# Altium PCB 3-as-manufactured.PcbDoc (part 1 of 16) (continued)
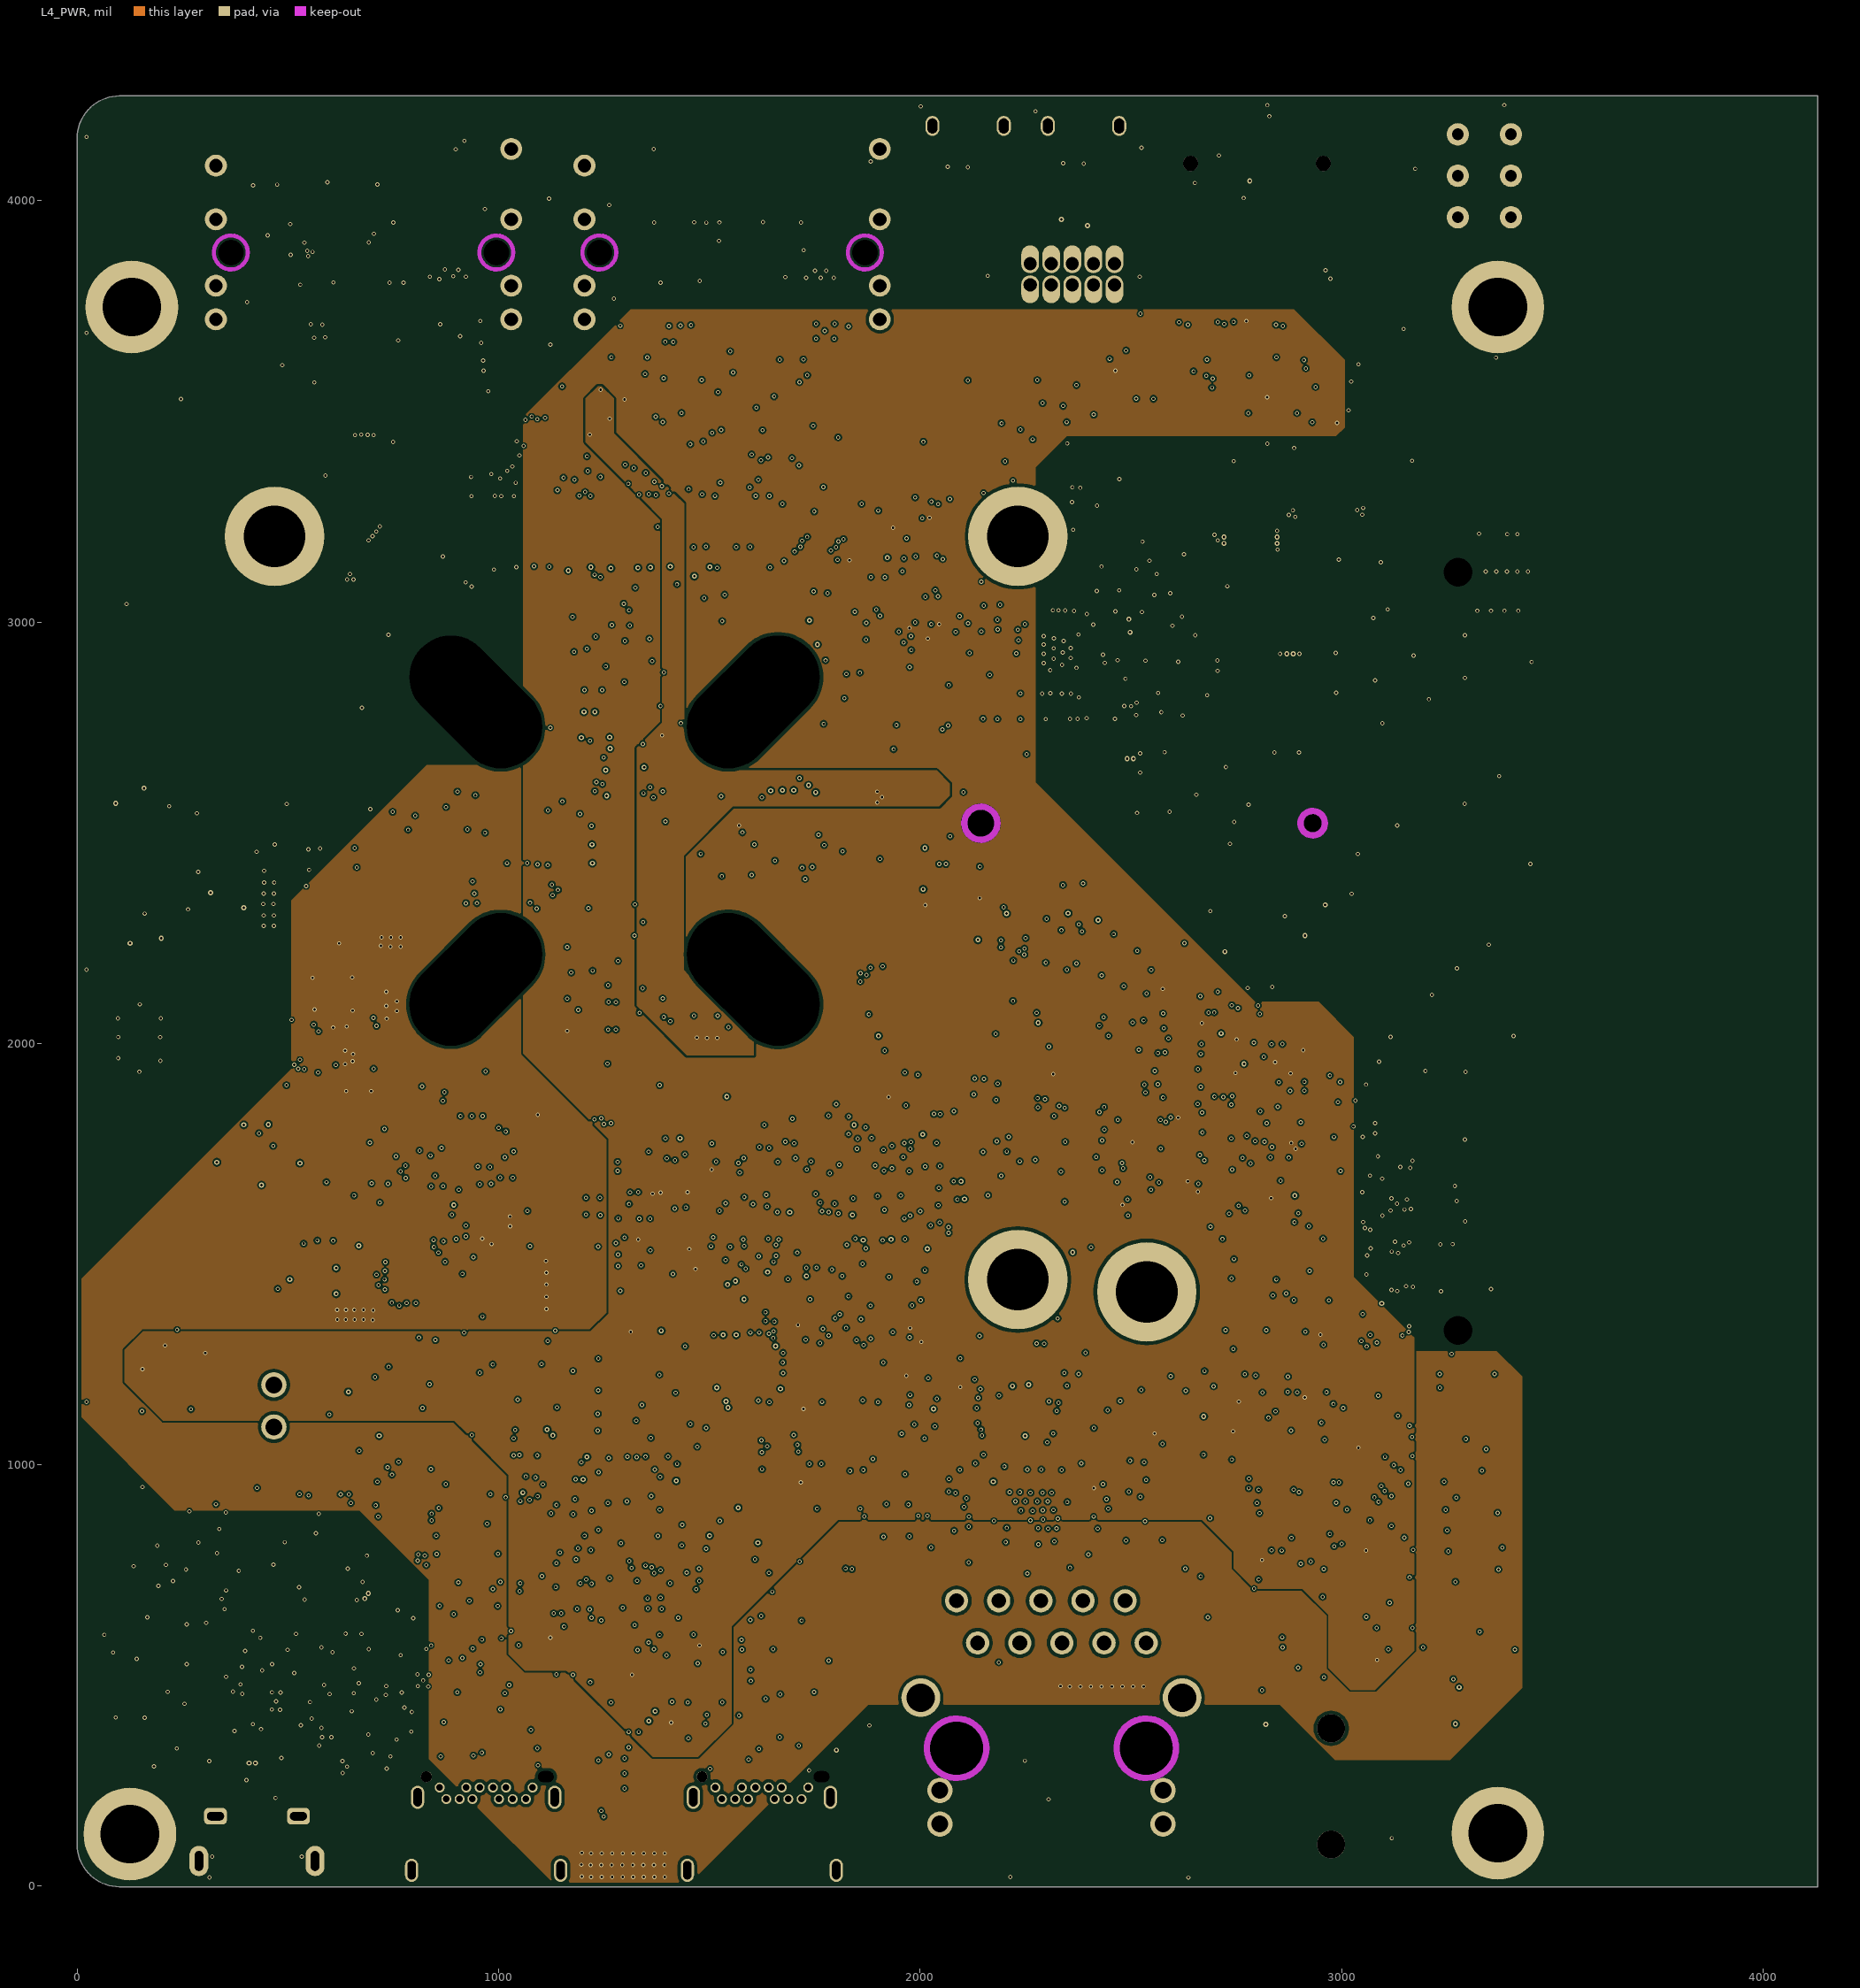
[diagram p4: L4_PWR]
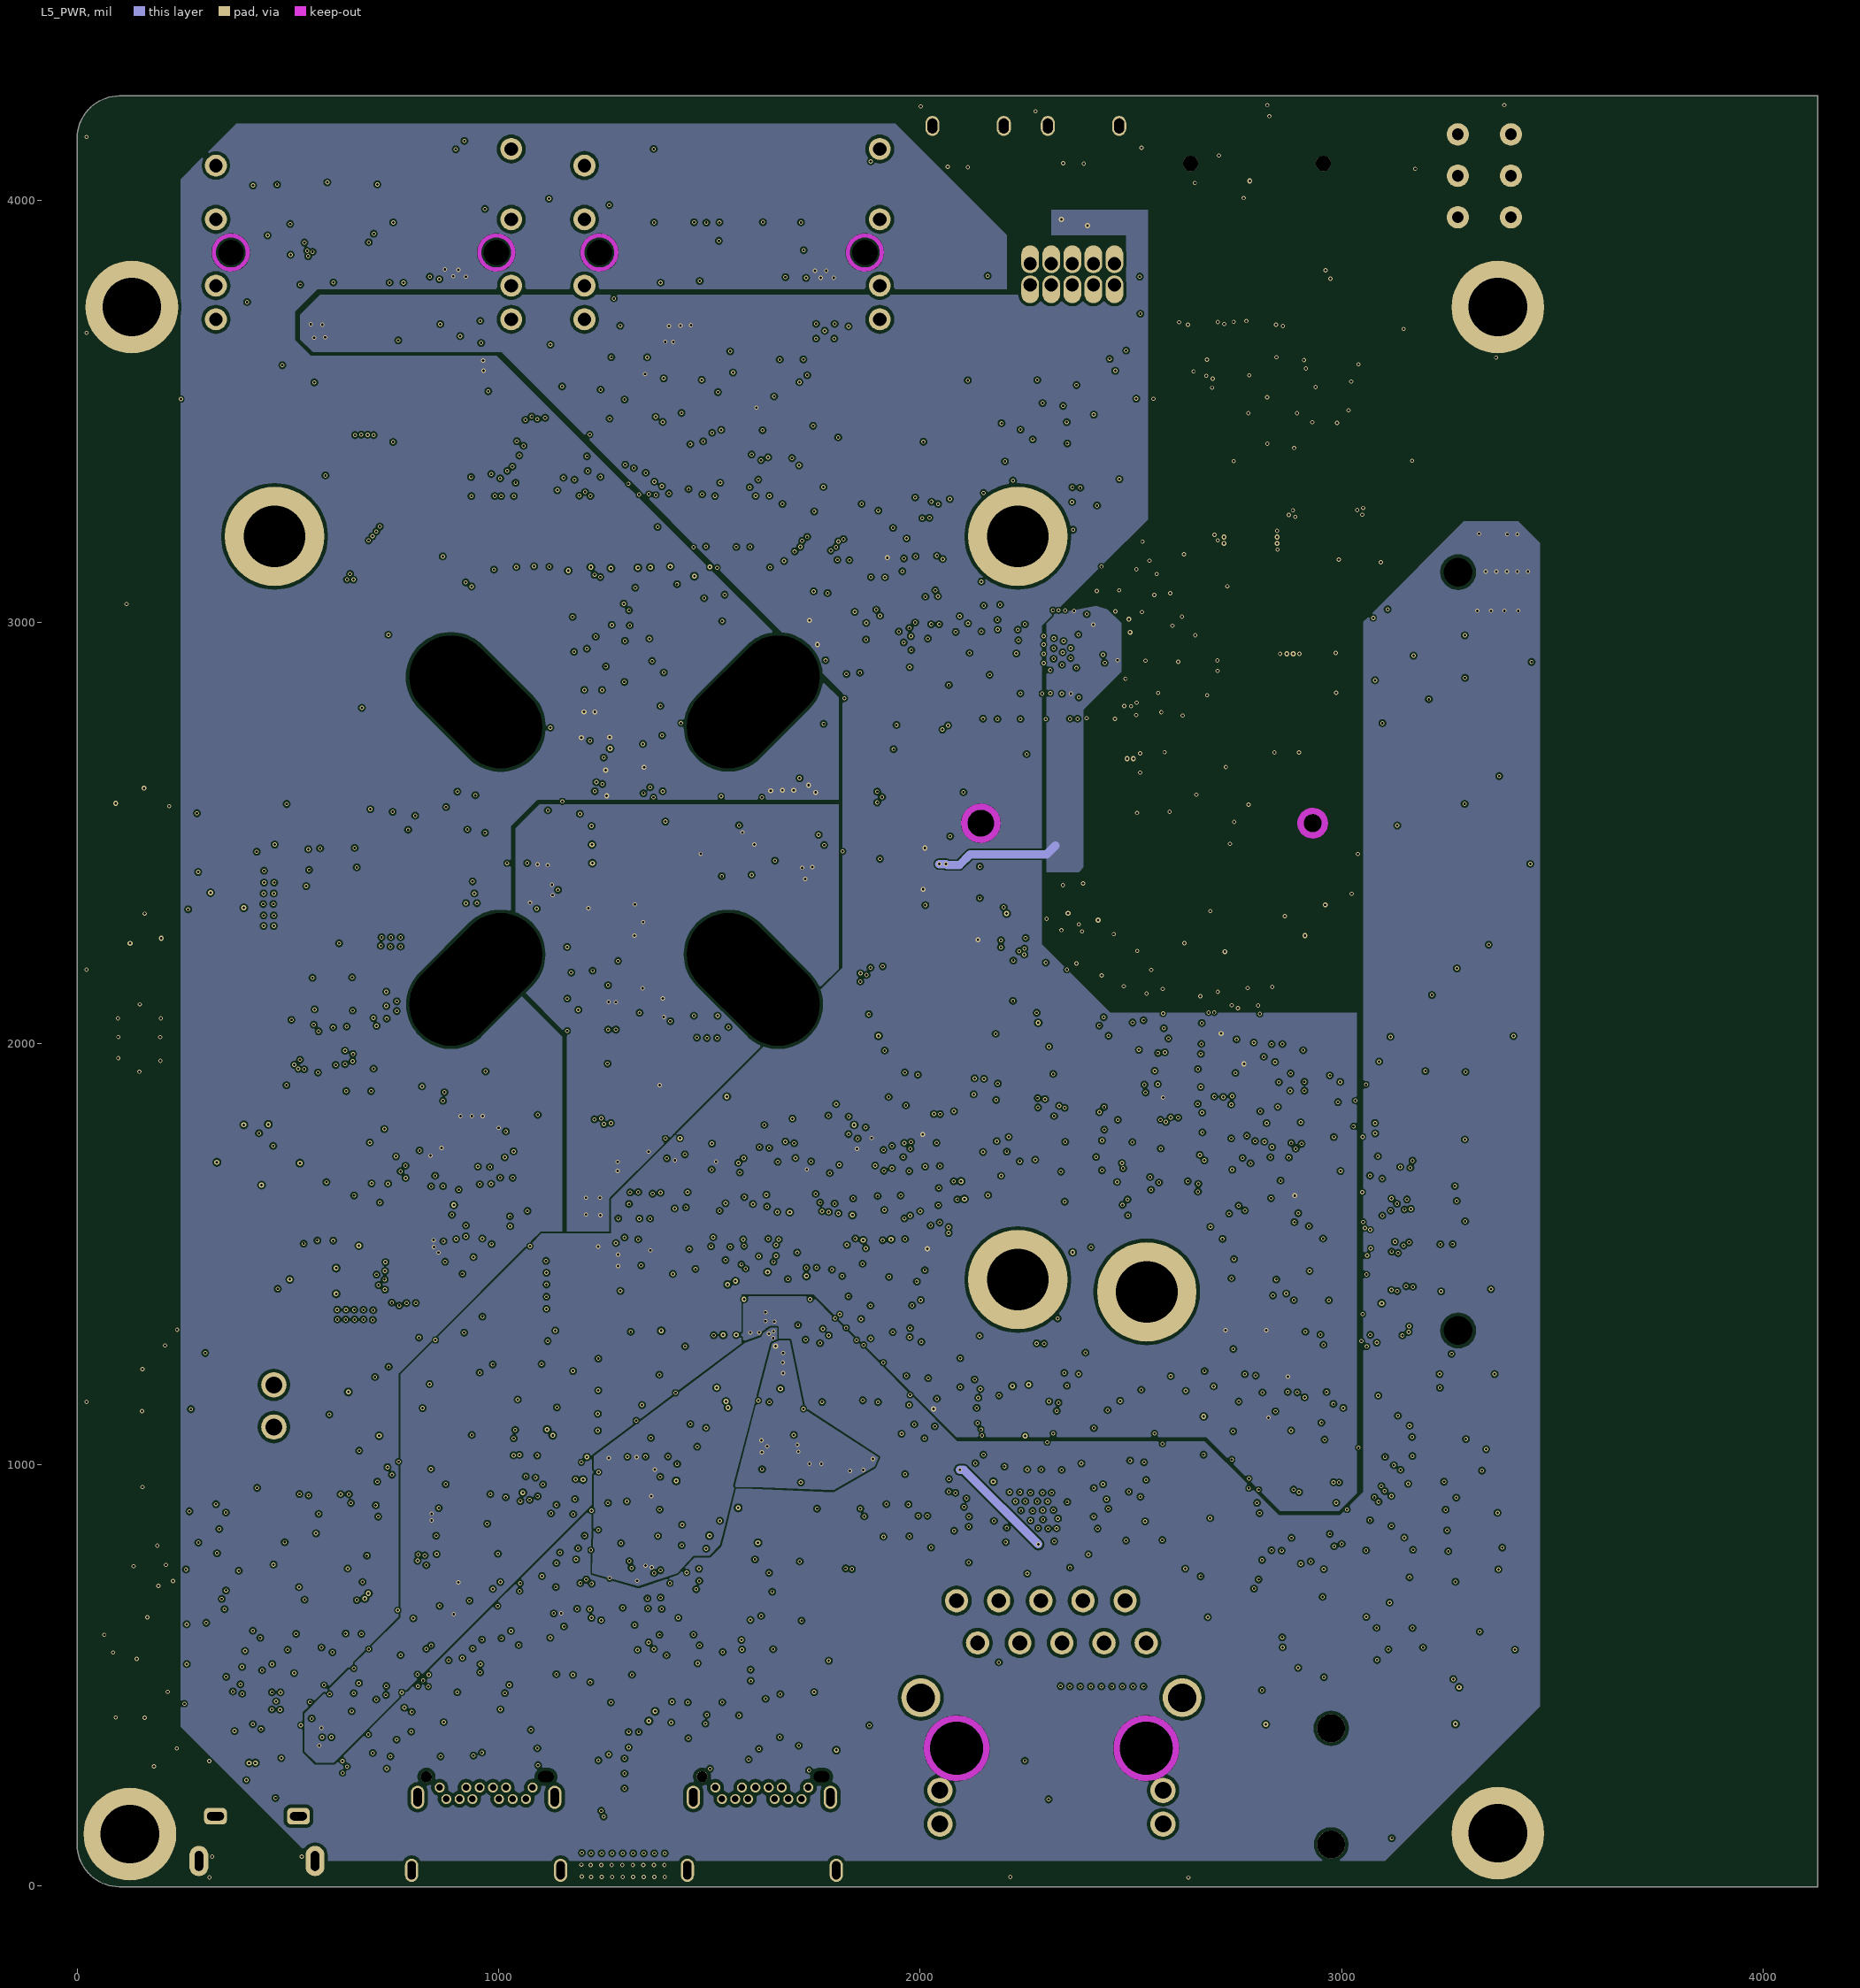
[diagram p5: L5_PWR]
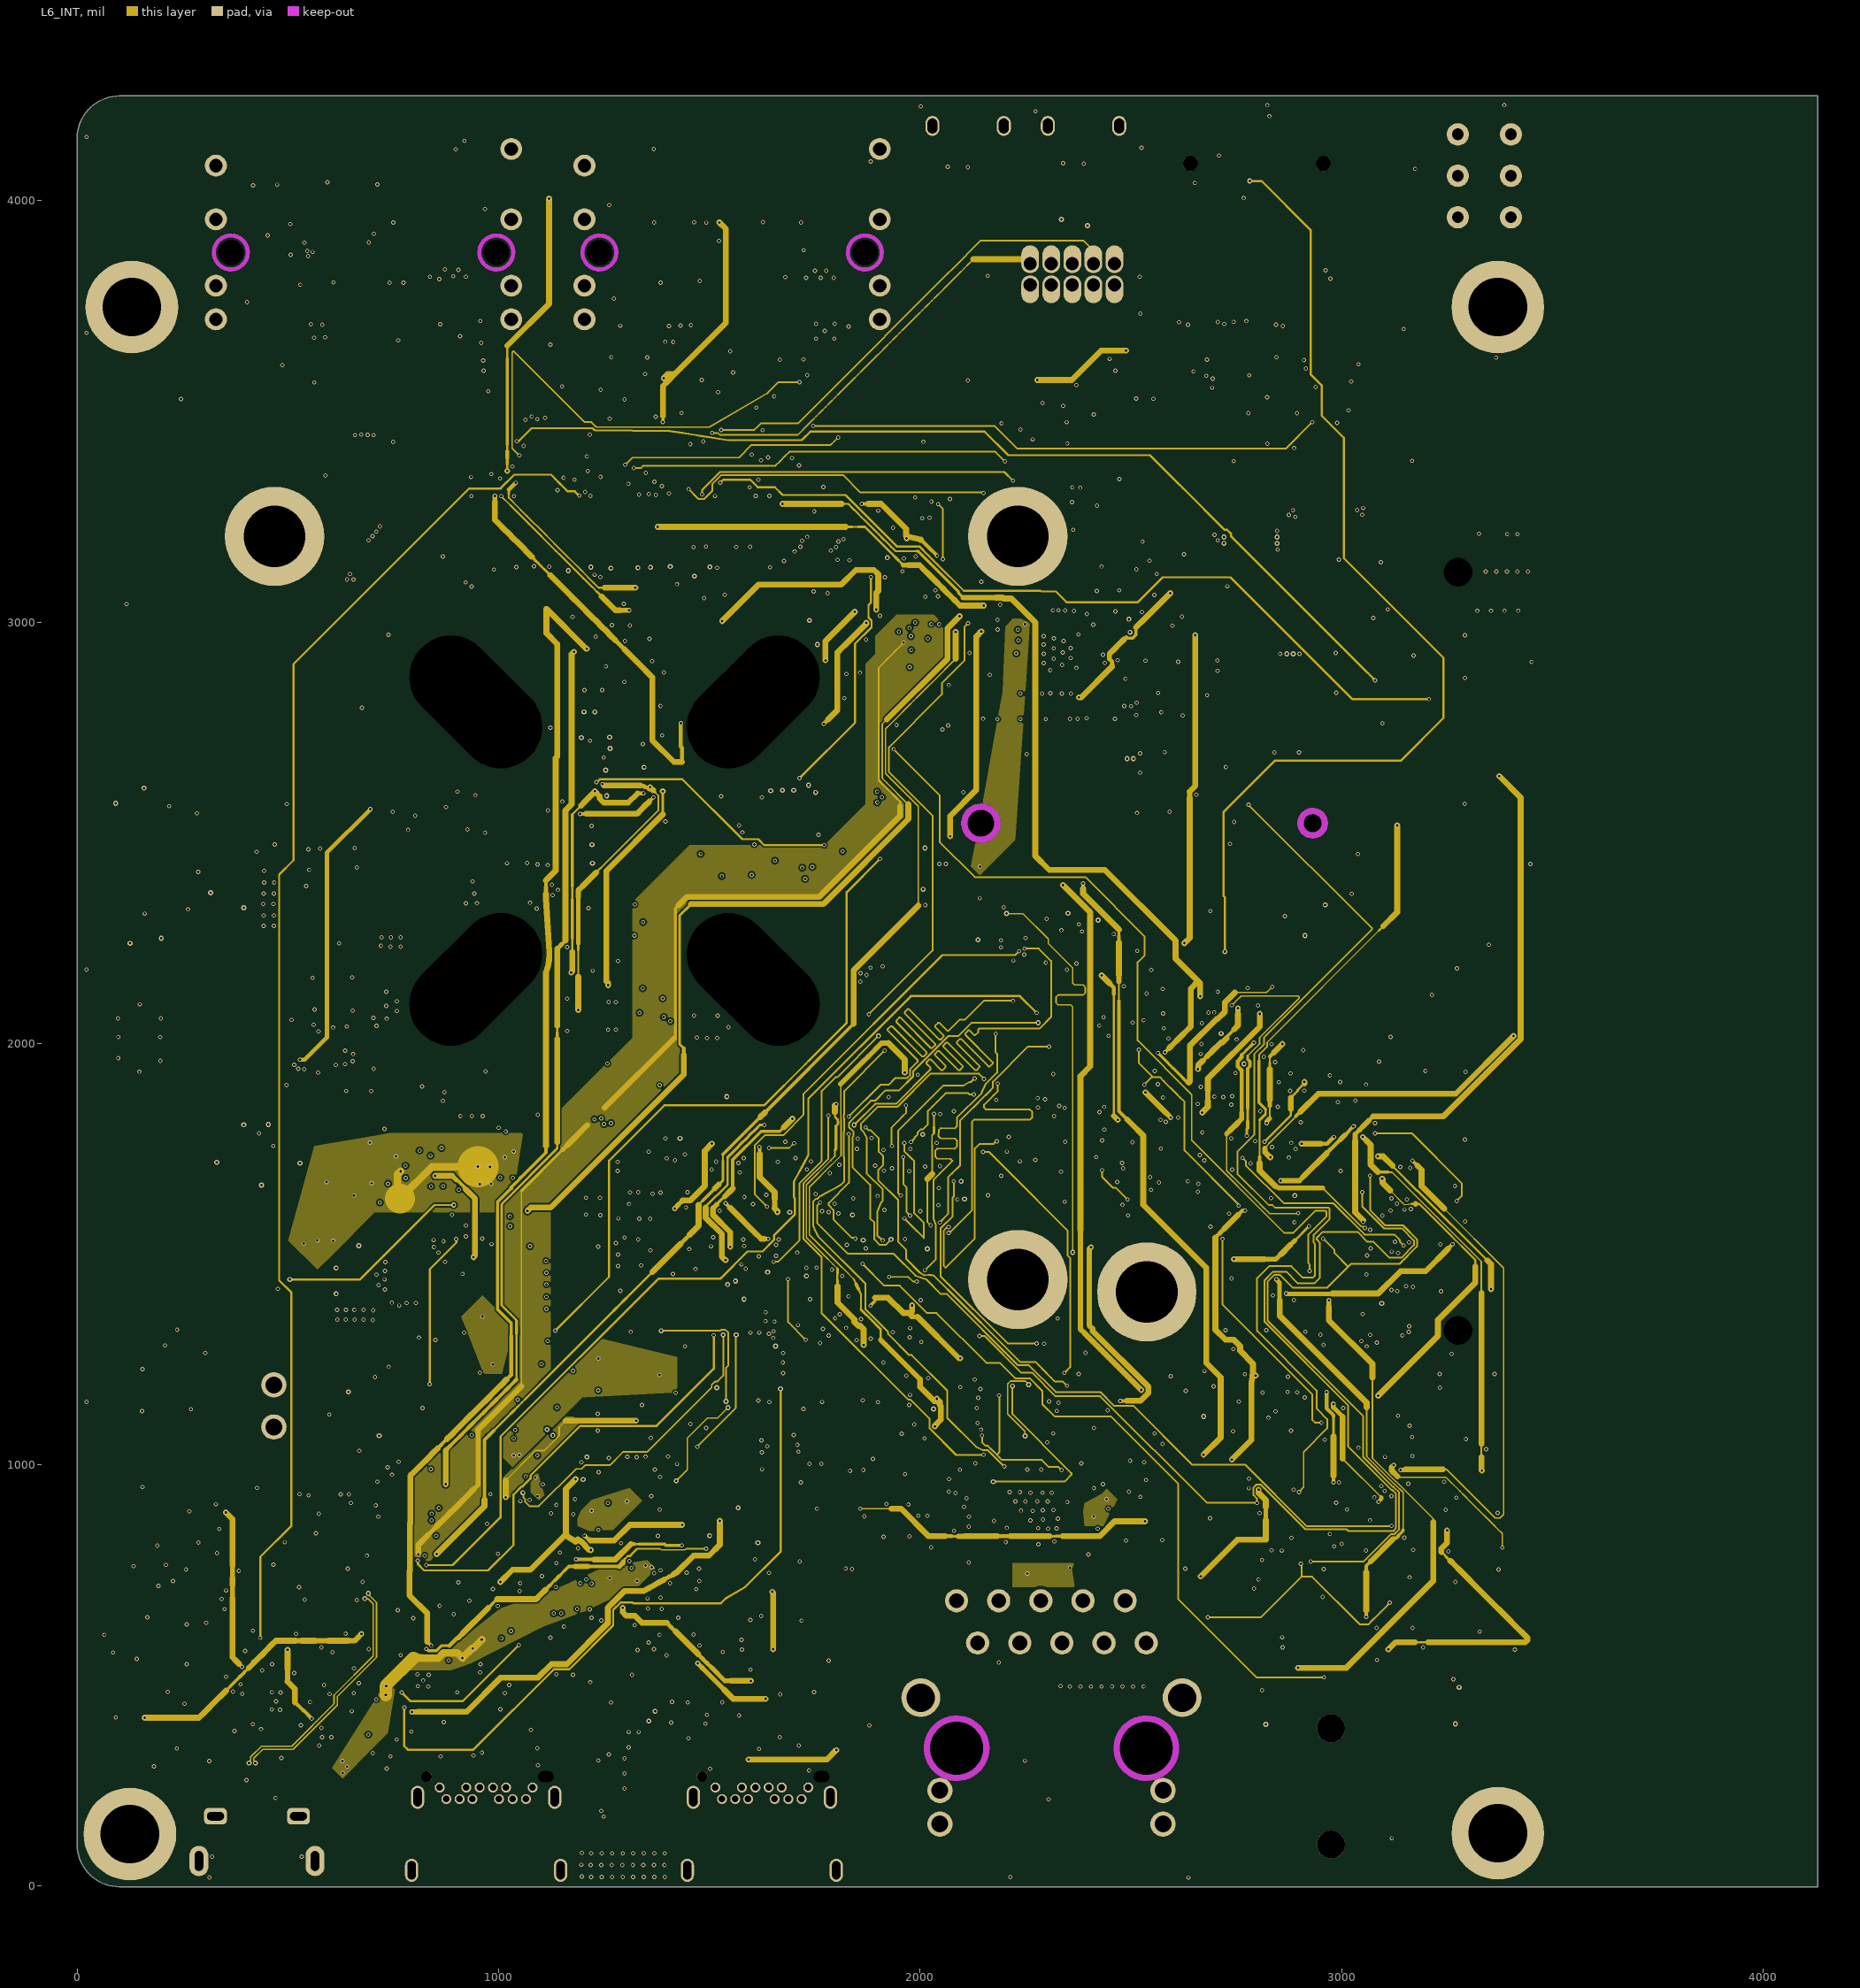
[diagram p6: L6_INT]